# KiCad board !HDMI2USB.kicad_pcb (continued)
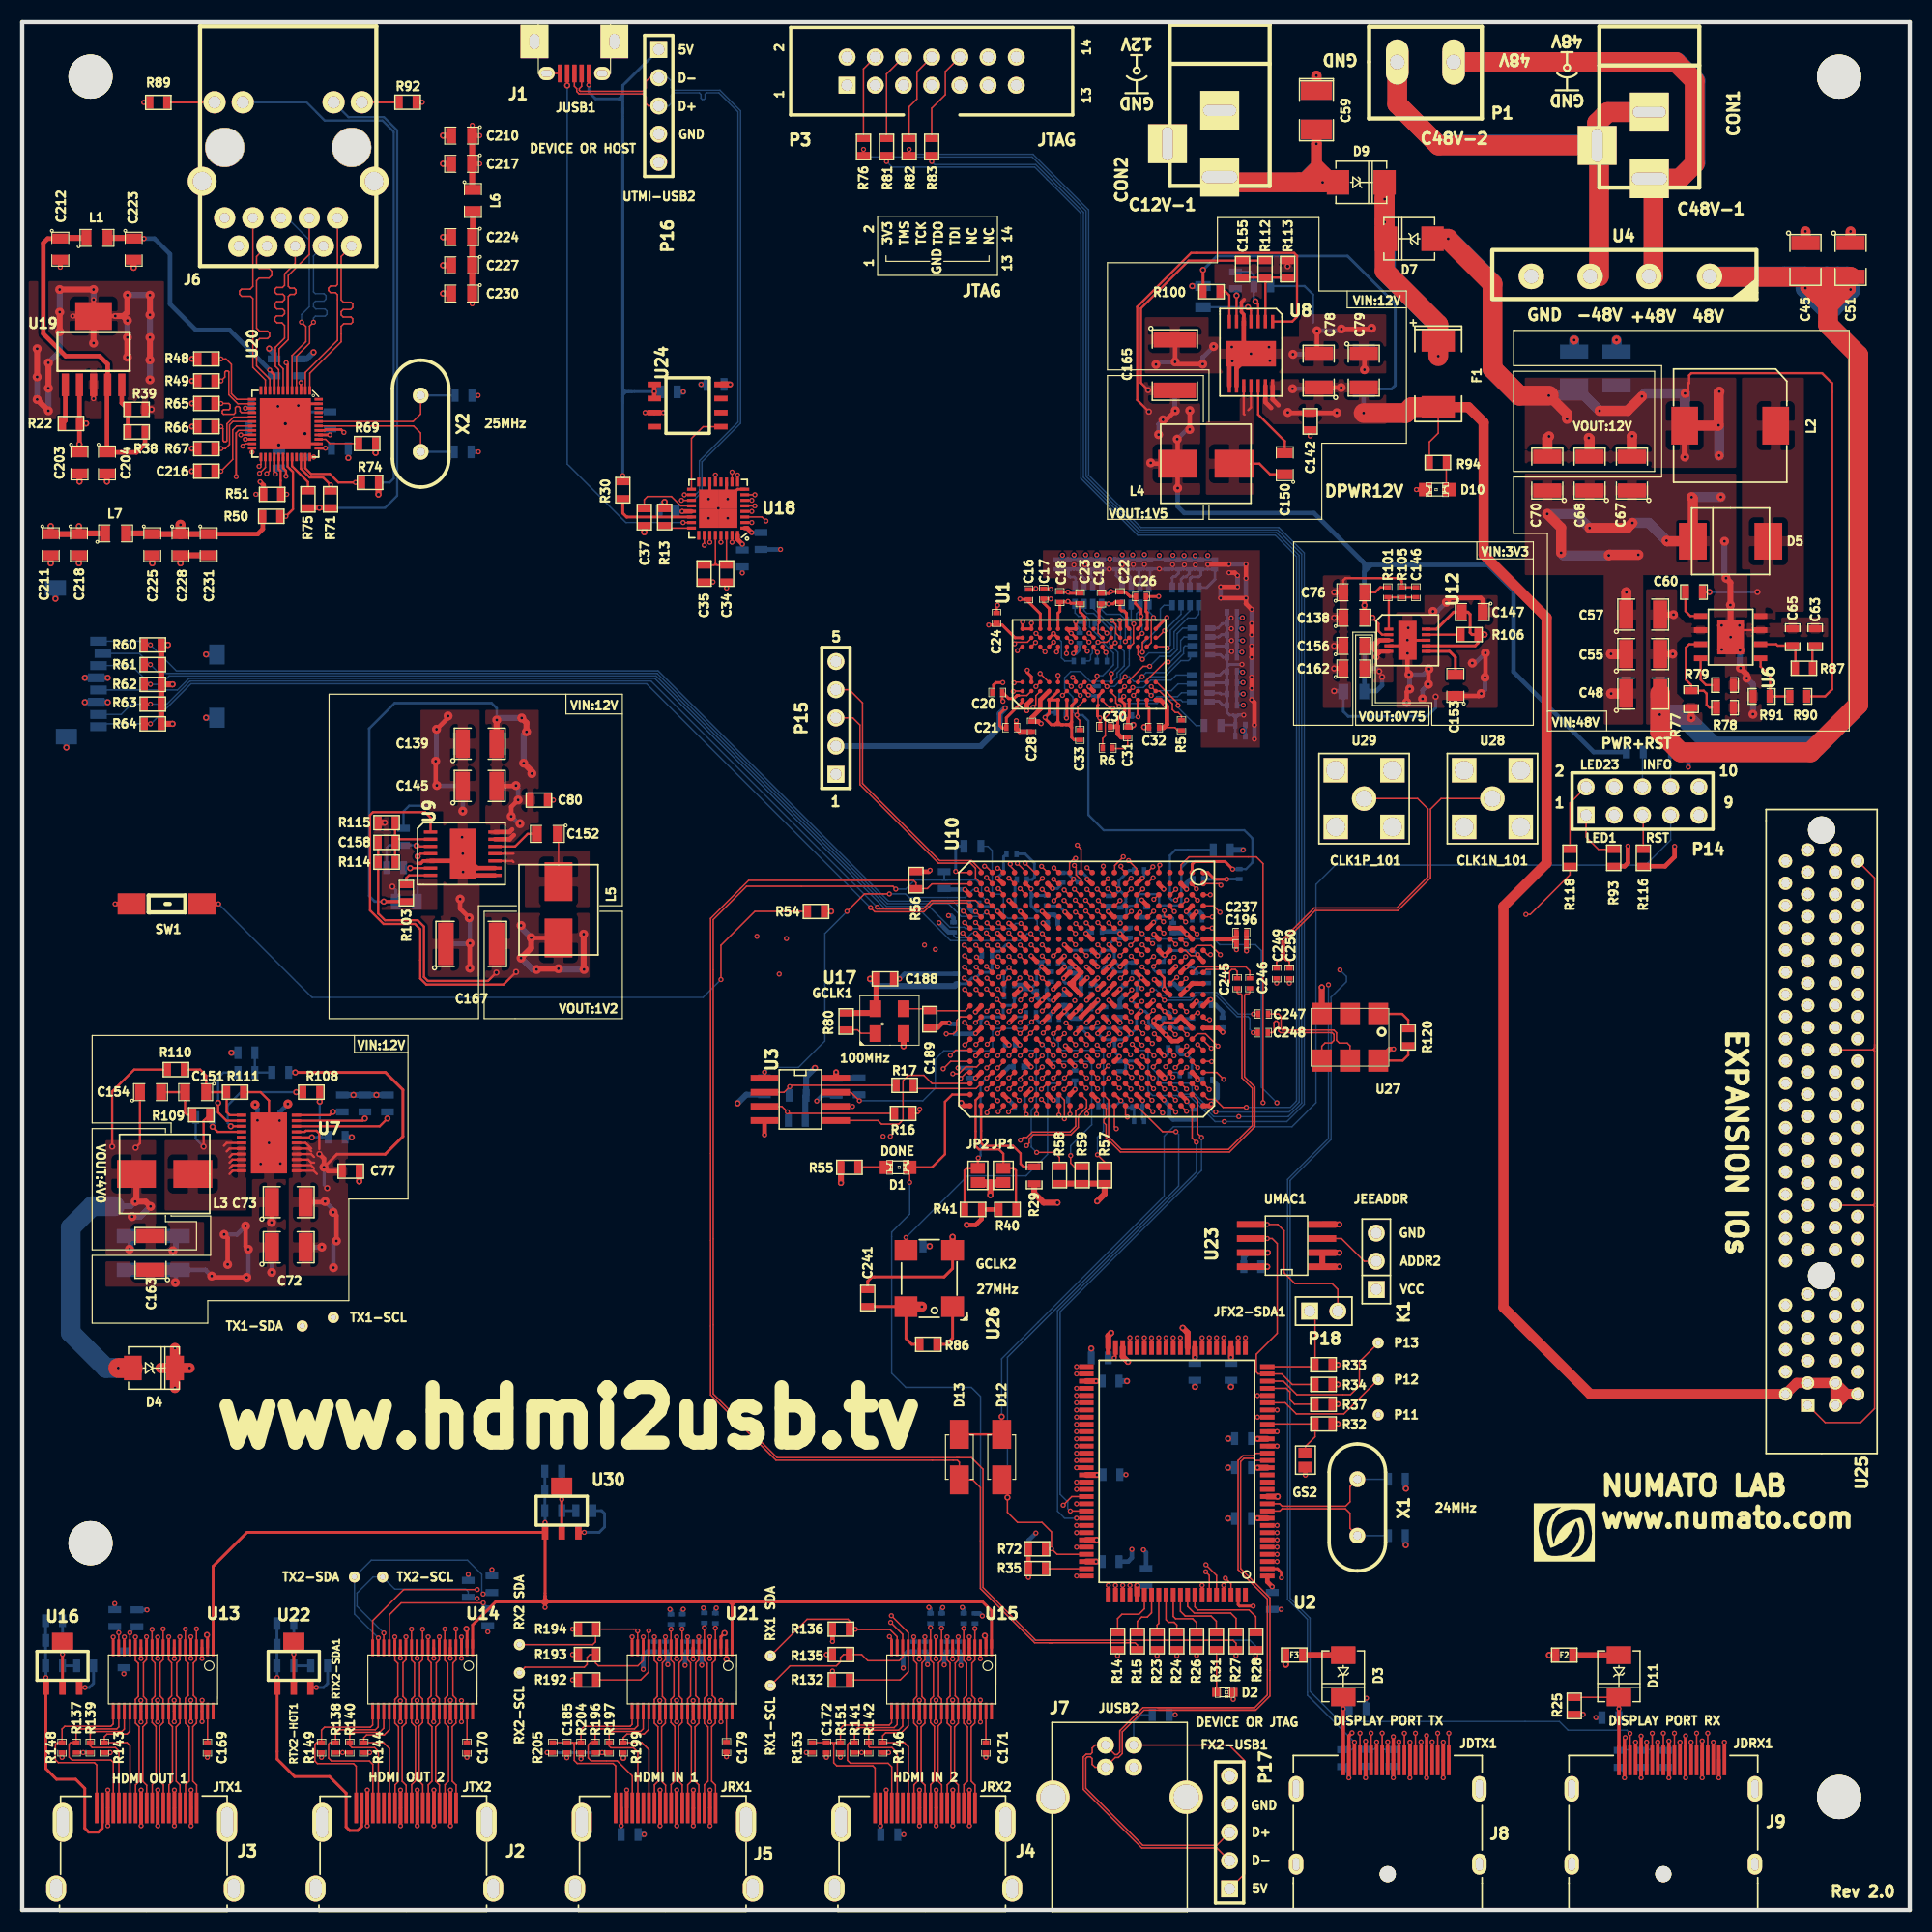
[diagram p0: board, top side]
## Nets (continued)
VCC12V0: C38.1 C72.2 C73.2 C74.2 C75.2 C77.2 C78.1 C79.2 C80.1 C133.2 C134.2 C135.1 C139.2 C140.2 C142.1 C145.2 C173.1 C177.1 C183.1 F1.2 R94.1 R95.1 R100.1 R103.1 U7.12 U7.13 U7.14 U7.15 U7.16 U7.17 U7.19 U8.13 U8.14 U9.13 U9.14 U16.3 U22.3 U24.8 U25.A2 U25.A3 U25.B1 U25.B2 U25.B3 U30.3
/DDR3/DDR0_A0: R8.8 U1.N3 U10.K2
/DDR3/DDR0_A1: R9.2 U1.P7 U10.K1
/DDR3/DDR0_A2: R8.4 U1.P3 U10.K5
/DDR3/DDR0_A3: R3.8 U1.N2 U10.M6
/DDR3/DDR0_A4: R2.4 U1.P8 U10.H3
/DDR3/DDR0_A5: R3.4 U1.P2 U10.M3
/DDR3/DDR0_A6: R9.8 U1.R8 U10.L4
/DDR3/DDR0_A7: R3.6 U1.R2 U10.K6
/DDR3/DDR0_A8: R9.6 U1.T8 U10.G3
/DDR3/DDR0_A9: R8.6 U1.R3 U10.G1
/DDR3/DDR0_A10: R10.4 U1.L7 U10.J4
/DDR3/DDR0_A11: R2.2 U1.R7 U10.E1
/DDR3/DDR0_A12: R2.6 U1.N7 U10.F1
/DDR3/DDR0_A13: R1.2 U1.T3 U10.J6
/DDR3/DDR0_A14: R9.4 U1.T7 U10.H5
/DDR3/DDR0_BA0: R3.2 U1.M2 U10.J3
/DDR3/DDR0_BA1: R10.2 U1.N8 U10.J1
/DDR3/DDR0_BA2: R8.2 U1.M3 U10.H1
/DDR3/DDR0_CAS_N: R2.8 U1.K3 U10.M4
/DDR3/DDR0_CK_N: R4.1 U1.K7 U10.K3
/DDR3/DDR0_CK_P: R4.2 U1.J7 U10.K4
/DDR3/DDR0_CKE: R7.2 U1.K9 U10.F2
/DDR3/DDR0_DQ0: U1.E3 U10.R3
/DDR3/DDR0_DQ1: U1.F7 U10.R1
/DDR3/DDR0_DQ2: U1.F2 U10.P2
/DDR3/DDR0_DQ3: U1.F8 U10.P1
/DDR3/DDR0_DQ4: U1.H3 U10.L3
/DDR3/DDR0_DQ5: U1.H8 U10.L1
/DDR3/DDR0_DQ6: U1.G2 U10.M2
/DDR3/DDR0_DQ7: U1.H7 U10.M1
/DDR3/DDR0_DQ8: U1.D7 U10.T2
/DDR3/DDR0_DQ9: U1.C3 U10.T1
/DDR3/DDR0_DQ10: U1.C8 U10.U3
/DDR3/DDR0_DQ11: U1.C2 U10.U1
/DDR3/DDR0_DQ12: U1.A7 U10.W3
/DDR3/DDR0_DQ13: U1.A2 U10.W1
/DDR3/DDR0_DQ14: U1.B8 U10.Y2
/DDR3/DDR0_DQ15: U1.A3 U10.Y1
/DDR3/DDR0_LDM: U1.E7 U10.N4
/DDR3/DDR0_LDQS_N: U1.G3 U10.N1
/DDR3/DDR0_LDQS_P: U1.F3 U10.N3
/DDR3/DDR0_ODT: R6.2 U1.K1 U10.L6
/DDR3/DDR0_RAS_N: R10.8 U1.J3 U10.M5
/DDR3/DDR0_RESET_N: R5.2 U1.T2 U10.E3
/DDR3/DDR0_UDM: U1.D3 U10.P3
/DDR3/DDR0_UDQS_N: U1.B7 U10.V1
/DDR3/DDR0_UDQS_P: U1.C7 U10.V2
/DDR3/DDR0_WE_N: R10.6 U1.L3 U10.H2
/DisplayPort/DPRX_LANEN0: J9.3 U10.C7
/DisplayPort/DPRX_LANEN1: J9.6 U10.C9
/DisplayPort/DPRX_LANEN2: J9.9 U10.C13
/DisplayPort/DPRX_LANEN3: J9.12 U10.C15
/DisplayPort/DPRX_LANEP0: J9.1 U10.D7
/DisplayPort/DPRX_LANEP1: J9.4 U10.D9
/DisplayPort/DPRX_LANEP2: J9.7 U10.D13
/DisplayPort/DPRX_LANEP3: J9.10 U10.D15
/DisplayPort/DPRXAUXCH_N: J9.17 U10.T11 U10.U10
/DisplayPort/DPRXAUXCH_P: J9.15 U10.R11 U10.T10
/DisplayPort/DPRXCONFIG1: J9.13 R45.1 U10.AA8
/DisplayPort/DPRXCONFIG2: J9.14 R46.1 U10.AB8
/DisplayPort/DPTX_LANEN0: J8.3 U10.A6
/DisplayPort/DPTX_LANEN1: J8.6 U10.A8
/DisplayPort/DPTX_LANEN2: J8.9 U10.A14
/DisplayPort/DPTX_LANEN3: J8.12 U10.A16
/DisplayPort/DPTX_LANEP0: J8.1 U10.B6
/DisplayPort/DPTX_LANEP1: J8.4 U10.B8
/DisplayPort/DPTX_LANEP2: J8.7 U10.B14
/DisplayPort/DPTX_LANEP3: J8.10 U10.B16
/DisplayPort/DPTXAUXCH_N: J8.17 U10.U15 U10.V15
/DisplayPort/DPTXAUXCH_P: J8.15 U10.T15 U10.U16
/DisplayPort/DPTXCONFIG1: J8.13 R42.1 U10.V20
/DisplayPort/DPTXCONFIG2: J8.14 R43.1 U10.AB19
/Ethernet/ETH_INT_B: U10.V9 U20.20
/Ethernet/ETH_MDC: U10.V7 U20.30
/Ethernet/ETH_MDIO: R50.2 U10.T8 U20.31
/Ethernet/ETH_RESET_B: C222.1 R51.1 U10.U8 U20.29
/Ethernet/ETH_RXCLK: C216.2 U10.AA12 U20.19
/Ethernet/ETH_RXCTL: R48.2 U10.U9 U20.13
/Ethernet/ETH_RXD0: R49.2 U10.R9 U20.14
/Ethernet/ETH_RXD1: R65.2 U10.R8 U20.16
/Ethernet/ETH_RXD2: R66.2 U10.W6 U20.17
/Ethernet/ETH_RXD3: R67.2 U10.Y6 U20.18
/Ethernet/ETH_TXCLK: U10.AB12 U20.22
/Ethernet/ETH_TXCTL: U10.W8 U20.27
/Ethernet/ETH_TXD0: U10.W9 U20.23
/Ethernet/ETH_TXD1: U10.Y8 U20.24
/Ethernet/ETH_TXD2: U10.AA6 U20.25
/Ethernet/ETH_TXD3: U10.AB6 U20.26
/Ethernet/ETH_VCC1V0: C223.1 C226.1 C229.1 C232.1 C233.1 C234.1 L1.2 U20.3 U20.9 U20.28 U20.36 U20.40
/Ethernet/ETH_VCC3V3: C214.1 C219.1 C220.1 C225.1 C228.1 C231.1 L7.2 R49.1 R50.1 R65.1 R66.1 R67.1 U20.15 U20.21 U20.37
/Ethernet/LED0: J6.12 R70.2
/Ethernet/LED1: J6.13 R73.2
/Ethernet/MAC_SCL: R34.1 U2.29 U10.G6 U23.6
/Ethernet/MAC_SDA: P18.2 U10.C1 U23.5
/Ethernet/XTAL1_50MHZ: C238.1 U20.42 X2.2
/Ethernet/XTAL2_50MHZ: C235.1 U20.43 X2.1
/FPGA_Bank_0_3/DEBUG_IO0: P15.3 U10.AA2
/FPGA_Bank_0_3/DEBUG_IO1: P15.4 U10.AA1
/FPGA_Bank_0_3/DIFFCLK_A0N: U10.F15 U25.A30
/FPGA_Bank_0_3/DIFFCLK_A0P: U10.F14 U25.A29
/FPGA_Bank_0_3/DIFFCLK_A1N: U10.G9 U25.A48
/FPGA_Bank_0_3/DIFFCLK_A1P: U10.F10 U25.A47
/FPGA_Bank_0_3/DIFFCLK_B0N: U10.E16 U25.B28
/FPGA_Bank_0_3/DIFFCLK_B0P: U10.F16 U25.B27
/FPGA_Bank_0_3/DIFFCLK_B1N: U10.G11 U25.B46
/FPGA_Bank_0_3/DIFFCLK_B1P: U10.H12 U25.B45
/FPGA_Bank_0_3/DIFFCLK_XN: U10.D19 U25.A14
/FPGA_Bank_0_3/DIFFCLK_XP: U10.D18 U25.A13
/FPGA_Bank_0_3/DIFFIO_A0N: U10.C18 U25.A6
/FPGA_Bank_0_3/DIFFIO_A0P: U10.D17 U25.A5
/FPGA_Bank_0_3/DIFFIO_A1N: U10.A18 U25.A17
/FPGA_Bank_0_3/DIFFIO_A1P: U10.B18 U25.A16
/FPGA_Bank_0_3/DIFFIO_A2N: U10.G15 U25.A22
/FPGA_Bank_0_3/DIFFIO_A2P: U10.H14 U25.A21
/FPGA_Bank_0_3/DIFFIO_A3N: U10.G13 U25.A26
/FPGA_Bank_0_3/DIFFIO_A3P: U10.H13 U25.A25
/FPGA_Bank_0_3/DIFFIO_A4N: U10.E6 U25.A36
/FPGA_Bank_0_3/DIFFIO_A4P: U10.E5 U25.A35
/FPGA_Bank_0_3/DIFFIO_A5N: U10.A4 U25.A40
/FPGA_Bank_0_3/DIFFIO_A5P: U10.C4 U25.A39
/FPGA_Bank_0_3/DIFFIO_A6N: U10.A2 U25.A44
/FPGA_Bank_0_3/DIFFIO_A6P: U10.B2 U25.A43
/FPGA_Bank_0_3/DIFFIO_B0N: U10.A20 U25.A8
/FPGA_Bank_0_3/DIFFIO_B0P: U10.B20 U25.A7
/FPGA_Bank_0_3/DIFFIO_B1N: U10.F17 U25.B15
/FPGA_Bank_0_3/DIFFIO_B1P: U10.G16 U25.B14
/FPGA_Bank_0_3/DIFFIO_B2N: U10.A17 U25.B20
/FPGA_Bank_0_3/DIFFIO_B2P: U10.C17 U25.B19
/FPGA_Bank_0_3/DIFFIO_B3N: U10.H11 U25.B24
/FPGA_Bank_0_3/DIFFIO_B3P: U10.H10 U25.B23
/FPGA_Bank_0_3/DIFFIO_B4N: U10.D5 U25.B34
/FPGA_Bank_0_3/DIFFIO_B4P: U10.D4 U25.B33
/FPGA_Bank_0_3/DIFFIO_B5N: U10.A5 U25.B38
/FPGA_Bank_0_3/DIFFIO_B5P: U10.C5 U25.B37
/FPGA_Bank_0_3/DIFFIO_B6N: U10.A3 U25.B42
/FPGA_Bank_0_3/DIFFIO_B6P: U10.B3 U25.B41
/FPGA_Bank_0_3/DIFFIO_XN: U10.A19 U25.B11
/FPGA_Bank_0_3/DIFFIO_XP: U10.C19 U25.B9
/FPGA_Bank_0_3/DIFFIO_YN: U10.F8 U25.B12
/FPGA_Bank_0_3/DIFFIO_YP: U10.F7 U25.A19
/FPGA_Bank_0_3/DIFFIO_ZN: U10.F9 U25.B30
/FPGA_Bank_0_3/DIFFIO_ZP: U10.G8 U25.A32
/FPGA_Bank_0_3/HSWAP: R53.1 U10.C3
/FPGA_Bank_0_3/MGT135MHz_N: C247.1 U10.F12
/FPGA_Bank_0_3/MGT135MHz_P: C248.1 U10.E12
/FPGA_Bank_0_3/MGTREFCLK0_101_N: C246.1 U10.K22
/FPGA_Bank_0_3/MGTREFCLK0_101_P: C245.1 U10.K21
/FPGA_Bank_0_3/MGTSMACLK_N: C250.1 U10.D11
/FPGA_Bank_0_3/MGTSMACLK_P: C249.1 U10.C11
/FPGA_Bank_0_3/PCIE_RESET: U10.D3 U25.A11
/FPGA_Bank_0_3/PCIO0: R118.2 U10.G7
/FPGA_Bank_0_3/PCIO1: P14.3 U10.J7
/FPGA_Bank_0_3/PCIO2: P14.4 U10.H8
/FPGA_Bank_0_3/PCIO3: P14.6 R117.1 U10.F5
/FPGA_Bank_0_3/SMCLK: U10.N6 U25.B5
/FPGA_Bank_0_3/SMDATA: U10.N7 U25.B6
/FPGA_Bank_0_3/SWITCH: R54.1 U10.Y3
/FPGA_Bank_1_2/CY-IFCLK: U2.26 U10.P20
/FPGA_Bank_1_2/CY_CTL0: U2.54 U10.N16
/FPGA_Bank_1_2/CY_CTL1: U2.55 U10.P16
/FPGA_Bank_1_2/CY_CTL2: U2.56 U10.R15
/FPGA_Bank_1_2/CY_CTL3: U2.51 U10.M18
/FPGA_Bank_1_2/CY_CTL4: U2.52 U10.M17
/FPGA_Bank_1_2/CY_CTL5: U2.76 U10.R16
/FPGA_Bank_1_2/CY_FD0: U2.34 U10.C20
/FPGA_Bank_1_2/CY_FD1: U2.35 U10.C22
/FPGA_Bank_1_2/CY_FD2: U2.36 U10.L15
/FPGA_Bank_1_2/CY_FD3: U2.37 U10.K16
/FPGA_Bank_1_2/CY_FD4: U2.44 U10.D21
/FPGA_Bank_1_2/CY_FD5: U2.45 U10.D22
/FPGA_Bank_1_2/CY_FD6: U2.46 U10.G19
/FPGA_Bank_1_2/CY_FD7: U2.47 U10.F20
/FPGA_Bank_1_2/CY_FD8: U2.80 U10.H18
/FPGA_Bank_1_2/CY_FD9: U2.81 U10.H19
/FPGA_Bank_1_2/CY_FD10: U2.82 U10.F21
/FPGA_Bank_1_2/CY_FD11: U2.83 U10.F22
/FPGA_Bank_1_2/CY_FD12: U2.95 U10.E20
/FPGA_Bank_1_2/CY_FD13: U2.96 U10.E22
/FPGA_Bank_1_2/CY_FD14: U2.97 U10.J19
/FPGA_Bank_1_2/CY_FD15: U2.98 U10.H20
/FPGA_Bank_1_2/CY_INT5: U2.84 U10.T19
/FPGA_Bank_1_2/CY_PA0: U2.67 U10.F18
/FPGA_Bank_1_2/CY_PA1: U2.68 U10.F19
/FPGA_Bank_1_2/CY_PA2: U2.69 U10.H16
/FPGA_Bank_1_2/CY_PA3: U2.70 U10.H17
/FPGA_Bank_1_2/CY_PA4: U2.71 U10.B21
/FPGA_Bank_1_2/CY_PA5: U2.72 U10.B22
/FPGA_Bank_1_2/CY_PA6: U2.73 U10.J16
/FPGA_Bank_1_2/CY_PA7: U2.74 U10.J17
/FPGA_Bank_1_2/CY_PC0: U2.57 U10.U20
/FPGA_Bank_1_2/CY_PC1: U2.58 U10.U22
/FPGA_Bank_1_2/CY_PC2: U2.59 U10.V21
/FPGA_Bank_1_2/CY_PC3: U2.60 U10.V22
/FPGA_Bank_1_2/CY_PC4: U2.61 U10.W20
/FPGA_Bank_1_2/CY_PC5: U2.62 U10.W22
/FPGA_Bank_1_2/CY_PC6: U2.63 U10.Y21
/FPGA_Bank_1_2/CY_PC7: U2.64 U10.Y22
/FPGA_Bank_1_2/CY_RD: U2.31 U10.K19
/FPGA_Bank_1_2/CY_RD0: U2.3 U10.P19
/FPGA_Bank_1_2/CY_RD1: U2.4 U10.R19
/FPGA_Bank_1_2/CY_RD2: U2.5 U10.M16
/FPGA_Bank_1_2/CY_RD3: U2.6 U10.N15
/FPGA_Bank_1_2/CY_RD4: U2.7 U10.U19
/FPGA_Bank_1_2/CY_RD5: U2.8 U10.T20
/FPGA_Bank_1_2/CY_RXD0: U2.43 U10.P17
/FPGA_Bank_1_2/CY_RXD1: U2.41 U10.P18
/FPGA_Bank_1_2/CY_T0: U2.23 U10.G20
/FPGA_Bank_1_2/CY_TXD0: U2.42 U10.R17
/FPGA_Bank_1_2/CY_TXD1: U2.40 U10.T17
/FPGA_Bank_1_2/CY_WR: U2.32 U10.K18
/FPGA_Bank_1_2/CYPRESS-RESET: C46.1 D12.1 R72.1 U2.77 U10.G22
/FPGA_Bank_1_2/DPRXHPD: J9.18 R47.1 U10.W11
/FPGA_Bank_1_2/DPTXHPD: J8.18 R44.1 U10.V11
/FPGA_Bank_1_2/FPGA_M0_CMP_MISO: JP1.1 R40.2 U10.AA21
/FPGA_Bank_1_2/FPGA_M1: JP2.1 R41.1 U10.Y19
/FPGA_Bank_1_2/INIT_B: R27.2 R52.2 U10.Y4
/FPGA_Bank_1_2/SD_CLK: U10.T7 U11.5
/FPGA_Bank_1_2/SD_CMD: R62.1 U10.U6 U11.3
/FPGA_Bank_1_2/SD_DAT0: R63.1 U10.AA4 U11.7
/FPGA_Bank_1_2/SD_DAT1: R64.1 U10.AB4 U11.8
/FPGA_Bank_1_2/SD_DAT2: R60.1 U10.AB5 U11.1
/FPGA_Bank_1_2/SD_DAT3: R61.1 U10.Y5 U11.2
/FPGA_Bank_1_2/SPI_CLK: U3.6 U10.Y20
/FPGA_Bank_1_2/SPI_CS_N: R18.2 U3.1 U10.AA3
/FPGA_Bank_1_2/SPI_D1_MISO2: R17.2 U10.R13
/FPGA_Bank_1_2/SPI_D2_MISO3: R21.1 U3.7 U10.T14
/FPGA_Bank_1_2/SPI_DO_DIN_MISO1: R16.2 U10.AA20
/FPGA_Bank_1_2/SPI_MOSI_CSI_N_MISO0: U3.5 U10.AB20
/FPGA_Bank_1_2/USB_D0: U10.Y14 U18.3
/FPGA_Bank_1_2/USB_D1: U10.W14 U18.4
/FPGA_Bank_1_2/USB_D2: U10.Y18 U18.5
/FPGA_Bank_1_2/USB_D3: U10.W17 U18.6
/FPGA_Bank_1_2/USB_D4: U10.AA14 U18.7
/FPGA_Bank_1_2/USB_D5: U10.AB14 U18.9
/FPGA_Bank_1_2/USB_D6: U10.Y16 U18.10
/FPGA_Bank_1_2/USB_D7: U10.W15 U18.13
/FPGA_Bank_1_2/USB_DIR: U10.W13 U18.31
/FPGA_Bank_1_2/USB_NXT: U10.V13 U18.2
/FPGA_Bank_1_2/USB_REFCLK: U10.Y13 U18.26
/FPGA_Bank_1_2/USB_RESETB: U10.V17 U18.27
/FPGA_Bank_1_2/USB_STP: U10.W18 U18.29
/FPGA_Bank_1_2/USRCLK: C189.2 U10.AB13 U17.3
/FPGA_Power/DONE: D1.2 R28.2 U10.AB21
/FPGA_Power/PROG_B: D13.1 R15.2 R56.1 U10.AB2
/FPGA_Power/RFS: R57.1 U10.P15
/FPGA_Power/SUSPEND: R29.2 U10.AA22
/FPGA_Power/TCK: R26.2 R81.2 U10.A21
/FPGA_Power/TMS: R24.2 R76.2 U10.D20
/FPGA_Power/VFS: R58.1 U10.U17
/GPIOs/PRSNT: U25.A1 U25.B17 U25.B31 U25.B48
/HDMI/HDMI-TX1-VCC5V0: C175.1 C205.1 J3.18 R195.1 U16.1
/HDMI/HDMI-TX2-VCC5V0: C181.1 C252.1 J2.18 R202.1 U22.1
/HDMI/HDMI_VCC5V0: C206.1 C208.1 R121.1 R137.1 R138.1 R139.1 R140.1 R141.1 R142.1 R153.1 R196.1 R197.1 R205.1 U13.1 U14.1 U15.1 U21.1 U30.1
/HDMI/P1-CEC: J4.13 R146.2 U15.23
/HDMI/P1-HOT: C172.2 J4.19 R151.2 R153.2 U15.20
/HDMI/P1-SCL: J4.15 R142.2 U15.22
/HDMI/P1-SDA: J4.16 R141.2 U15.21
/HDMI/P2-CEC: J3.13 R143.2 U13.23
/HDMI/P2-HOT: J3.19 R148.2 U13.20
/HDMI/P2-SCL: J3.15 R139.2 U13.22
/HDMI/P2-SDA: J3.16 R137.2 U13.21
/HDMI/P3-CEC: J5.13 R199.2 U21.23
/HDMI/P3-HOT: C185.2 J5.19 R204.2 R205.2 U21.20
/HDMI/P3-SCL: J5.15 R197.2 U21.22
/HDMI/P3-SDA: J5.16 R196.2 U21.21
/HDMI/P4-CEC: J2.13 R144.2 U14.23
/HDMI/P4-HOT: J2.19 R149.2 U14.20
/HDMI/P4-SCL: J2.15 R140.2 U14.22
/HDMI/P4-SDA: J2.16 R138.2 U14.21
/HDMI/TMDS-RX1-0_N: J4.9 R147.1 U10.J22 U15.12 U15.27
/HDMI/TMDS-RX1-0_P: J4.7 R125.1 U10.J20 U15.10 U15.29
/HDMI/TMDS-RX1-1_N: J4.6 R150.1 U10.H22 U15.9 U15.30
/HDMI/TMDS-RX1-1_P: J4.4 R128.1 U10.H21 U15.7 U15.32
/HDMI/TMDS-RX1-2_N: J4.3 R152.1 U10.L19 U15.6 U15.33
/HDMI/TMDS-RX1-2_P: J4.1 R131.1 U10.K20 U15.4 U15.35
/HDMI/TMDS-RX1-CEC: R132.2 U10.K17 U15.16
/HDMI/TMDS-RX1-CLK_N: J4.12 R145.1 U10.M19 U15.15 U15.24
/HDMI/TMDS-RX1-CLK_P: J4.10 R124.1 U10.M20 U15.13 U15.26
/HDMI/TMDS-RX1-HOT: U10.V19 U15.19
/HDMI/TMDS-RX1-SCL: P8.1 R135.2 U10.L17 U15.17
/HDMI/TMDS-RX1-SDA: P7.1 R136.2 U10.T18 U15.18
/HDMI/TMDS-RX2-0_N: J5.9 R201.2 U10.M22 U21.12 U21.27
/HDMI/TMDS-RX2-0_P: J5.7 R190.1 U10.M21 U21.10 U21.29
/HDMI/TMDS-RX2-1_N: J5.6 R200.2 U10.N22 U21.9 U21.30
/HDMI/TMDS-RX2-1_P: J5.4 R189.1 U10.N20 U21.7 U21.32
/HDMI/TMDS-RX2-2_N: J5.3 R198.2 U10.P22 U21.6 U21.33
/HDMI/TMDS-RX2-2_P: J5.1 R188.1 U10.P21 U21.4 U21.35
/HDMI/TMDS-RX2-CEC: R192.2 U10.T22 U21.16
/HDMI/TMDS-RX2-CLK_N: J5.12 R203.2 U10.L22 U21.15 U21.24
/HDMI/TMDS-RX2-CLK_P: J5.10 R191.1 U10.L20 U21.13 U21.26
/HDMI/TMDS-RX2-HOT: U10.R20 U21.19
/HDMI/TMDS-RX2-SCL: P10.1 R193.2 U10.T21 U21.17
/HDMI/TMDS-RX2-SDA: P9.1 R194.2 U10.R22 U21.18
/HDMI/TMDS-TX1-0_N: J3.9 U10.Y12 U13.12 U13.27
/HDMI/TMDS-TX1-0_P: J3.7 U10.W12 U13.10 U13.29
/HDMI/TMDS-TX1-1_N: J3.6 U10.AB10 U13.9 U13.30
/HDMI/TMDS-TX1-1_P: J3.4 U10.AA10 U13.7 U13.32
/HDMI/TMDS-TX1-2_N: J3.3 U10.AB9 U13.6 U13.33
/HDMI/TMDS-TX1-2_P: J3.1 U10.Y9 U13.4 U13.35
/HDMI/TMDS-TX1-CEC: R127.2 U10.W10 U13.16
/HDMI/TMDS-TX1-CLK_N: J3.12 U10.AB11 U13.15 U13.24
/HDMI/TMDS-TX1-CLK_P: J3.10 U10.Y11 U13.13 U13.26
/HDMI/TMDS-TX1-HOT: U10.AB7 U13.19
/HDMI/TMDS-TX1-SCL: P6.1 R134.2 U10.Y7 U13.17
/HDMI/TMDS-TX1-SDA: P5.1 R130.2 U10.Y10 U13.18
/HDMI/TMDS-TX2-0_N: J2.9 U10.AB15 U14.12 U14.27
/HDMI/TMDS-TX2-0_P: J2.7 U10.Y15 U14.10 U14.29
/HDMI/TMDS-TX2-1_N: J2.6 U10.AB16 U14.9 U14.30
/HDMI/TMDS-TX2-1_P: J2.4 U10.AA16 U14.7 U14.32
/HDMI/TMDS-TX2-2_N: J2.3 U10.U13 U14.6 U14.33
/HDMI/TMDS-TX2-2_P: J2.1 U10.U14 U14.4 U14.35
/HDMI/TMDS-TX2-CEC: R126.2 U10.AA18 U14.16
/HDMI/TMDS-TX2-CLK_N: J2.12 U10.U12 U14.15 U14.24
/HDMI/TMDS-TX2-CLK_P: J2.10 U10.T12 U14.13 U14.26
/HDMI/TMDS-TX2-HOT: U10.AB18 U14.19
/HDMI/TMDS-TX2-SCL: P4.1 R129.2 U10.Y17 U14.17
/HDMI/TMDS-TX2-SDA: P2.1 R133.2 U10.AB17 U14.18
/Power/Conference 12V: C67.2 C68.2 C69.2 C70.2 C71.2 D6.1 D7.1 L2.2 R90.2
/Power/Consumer 12V: C59.2 C61.2 CON2.1 D8.1 D9.1
/SPI_Flash/27MHz: C244.2 U10.N19 U26.3
/SPI_Flash/RST: D12.2 D13.2 P14.7
/SPI_Flash/TDO-FPGA/TDO-JTAG: R14.2 R82.2 U10.G17
/SPI_Flash/TDO-USB/TDI-FPGA: R23.2 R83.2 U10.E18
/USB/CPEN: U18.17 U24.5
/USB/CYDN: J7.2 P17.2 U2.18
/USB/CYDP: J7.3 P17.3 U2.17
/USB/ID: J1.4 U18.23
/USB/U1-SDA: P18.1 R33.1 U2.30
/USB/USB_5V: C240.1 J1.1 P16.1 R30.2 U24.1 U24.2
/USB/USB_DM: J1.2 P16.2 U18.19
/USB/USB_DP: J1.3 P16.3 U18.18
/USB/XTALIN: C62.2 U2.11 X1.2
/USB/XTALIOUT: C64.1 U2.10 X1.1
N-00000177: R12.1 U1.L8
N-00000178: R11.2 U1.L2
N-00000189: D1.1 R55.1
N-00000192: R80.2 U17.1
N-00000193: R17.1 R20.2 U3.3
N-00000194: P3.10 R83.1
N-00000195: P3.8 R82.1
N-00000196: P3.6 R81.1
N-00000197: P3.4 R76.1
N-00000198: R16.1 R19.2 U3.2
N-00000199: P14.1 R93.2
N-00000200: P14.5 R116.2
N-00000201: P14.2 R118.1
N-00000204: P14.8 R119.1
N-00000205: R86.2 U26.1
N-00000209: R120.1 U27.1
N-00000212: R68.2 U10.E9
N-00000213: C245.2 U10.A10
N-00000214: C246.2 U10.B10
N-00000219: C247.2 U27.5
N-00000220: C250.2 U28.2
N-00000221: C249.2 U29.2
N-00000223: C248.2 U27.4
N-00000231: R54.2 SW1.1
N-00000232: R85.2 U10.R7
N-00000252: J6.7 U20.10
N-00000253: J6.6 U20.5
N-00000254: J6.4 U20.7
N-00000255: J6.5 U20.8
N-00000256: J6.8 U20.11
N-00000257: R69.1 U20.39
N-00000258: K1.2 U23.3
N-00000259: J6.1 U20.1
N-00000260: J6.2 U20.2
N-00000261: J6.3 U20.4
N-00000262: R75.1 U20.32
N-00000264: R70.1 R71.1 U20.34
N-00000265: R73.1 R74.1 U20.35
N-00000267: R22.1 U19.1
N-00000270: R38.1 R39.2 U19.5
N-00000276: J6.11 R92.1
N-00000277: J6.14 R89.1
N-00000283: R13.2 U18.24
N-00000288: C37.2 U18.20
N-00000289: R30.1 U18.22
N-00000292: C34.1 C35.1 U18.28 U18.30
N-00000296: R23.1 U2.88
N-00000297: R26.1 U2.90
N-00000298: R31.1 U2.91
N-00000299: R27.1 U2.92
N-00000300: R28.1 U2.93
N-00000301: R14.1 U2.86
N-00000302: R15.1 U2.87
N-00000303: R24.1 U2.89
N-00000306: R37.1 U2.27
N-00000310: GS2.1 R32.1 U2.22
N-00000311: D2.1 R31.2
N-00000312: P11.1 U2.24
N-00000313: P12.1 U2.25
N-00000319: R35.1 U2.79
N-00000322: P13.1 U2.28
N-00000324: J7.1 P17.1 R36.2
N-00000325: C65.2 R87.2 U6.6
N-00000326: C63.1 R87.1
N-00000328: C158.2 R114.2 R115.1 U9.2
N-00000329: C60.1 U6.1
N-00000330: R79.1 U6.4
N-00000331: R77.1 R78.1 U6.3
N-00000332: R100.2 U8.7
N-00000333: C152.1 L5.1 U9.10 U9.11
N-00000334: C152.2 U9.12
N-00000335: C150.2 U8.12
N-00000336: C150.1 L4.1 U8.10 U8.11
N-00000337: R102.2 U8.6
N-00000338: C143.2 U8.4
N-00000340: R108.2 U7.3
N-00000341: C148.2 R108.1 U7.18
N-00000342: R99.1 U7.22
N-00000343: R107.2 U7.20
N-00000344: C137.2 R102.1 U8.3
N-00000345: C141.2 R104.1 U9.3
N-00000346: R103.2 U9.7
N-00000347: R104.2 U9.6
N-00000348: C144.2 U9.4
N-00000349: C149.1 U7.4
N-00000350: R97.1 U7.2
N-00000351: R98.1 U7.21
N-00000352: C146.1 R101.2 R105.1 U12.1
N-00000353: C151.2 C154.2 R109.1
N-00000355: C155.1 R112.2 R113.1 U8.2
N-00000356: R106.1 U12.9
N-00000357: D10.1 R94.2
N-00000358: D6.2 D7.2 D8.2 D9.2 F1.1
N-00000361: R90.1 R91.2 U6.5
N-00000362: C60.2 D5.2 L2.1 U6.8
N-00000365: C151.1 R110.1 R111.2 U7.1
N-00000366: C149.2 L3.1 R109.2 U7.6 U7.7 U7.8 U7.9 U7.10 U7.11
N-00000367: R95.2 R96.1 R97.2
N-00000377: C171.1 U15.37
N-00000378: J4.18 R84.2
N-00000381: C170.1 U14.37
N-00000384: C179.1 U21.37
N-00000387: C169.1 U13.37
N-00000401: J5.18 R88.2
N-00000403: C177.2 C181.2 C252.2 R202.2 U22.2
N-00000405: C173.2 C175.2 C205.2 R195.2 U16.2
N-00000407: C183.2 C206.2 C208.2 R121.2 U30.2
N-00000409: D3.1 F3.2
N-00000410: D11.1 F2.2
N-00000411: C47.1 D3.2 J8.20
N-00000412: C49.1 D11.2 J9.20 R25.1
VTTDDR0: C1.1 C2.1 C3.1 C4.1 C5.1 C6.1 C7.1 C8.1 C9.1 C10.1 C11.1 C12.1 C13.1 C14.1 C15.1 C156.2 C159.2 C162.2 C166.2 C168.2 C174.1 C176.1 C178.1 C180.1 C182.1 C184.1 C186.1 C187.1 C207.1 C209.1 R1.1 R2.1 R2.3 R2.5 R2.7 R3.1 R3.3 R3.5 R3.7 R8.1 R8.3 R8.5 R8.7 R9.1 R9.3 R9.5 R9.7 R10.1 R10.3 R10.5 R10.7 U12.3 U12.5
VTTREF: C153.2 U12.6
VTTREF0: C33.1 C113.1 C192.1 U1.H1 U1.M8 U10.B1 U10.K8 U10.M8 U10.P8

Pads without a net: J2 14; J3 14; J4 14; J5 14; J6 9; P3 12 14; P14 9 10; P16 5; P17 5; U1 J1 J9 L1 L9 M7; U2 13 14 15 100; U7 5; U10 A12 B12 D1 D2 E4 F3 G4 H4 H6 K7 M7 P4 P5 P6 P7 R4 T3 T4 T5 T6 U4 V3 V5 V18 W4; U13 38; U14 38; U15 38; U18 12 15 16 25; U20 12 33 44 45 46 48; U21 38; U24 4 6 7; U25 A33; U27 2

## Via types
v1: diameter 0.457, hole 0.254, TOP to BOTTOM, 1083 vias
v2: diameter 0.808, hole 0.254, TOP to BOTTOM, 176 vias
v3: diameter 0.559, hole 0.305, TOP to BOTTOM, 135 vias

## Routing (per net, layer and track width the routed paths; a pad name or vN(x,y) marks a point on that pad's centre or on a via; arc(x,y) is an arc through that point)
/Ethernet/AVDD3V3: length 40.8
  TOP w0.229: v1(23.77,139.33) 23.9,139.2 U20.6 ; v1(28.97,133.06) 28.72,133.31 27.33,133.31 27.25,133.24 U20.41
  TOP w0.406: v1(40.53,144.64) C230.1
  TOP w0.533: C230.1 C227.1 C224.1 40.59,150.71 L6.2
  PWR w0.914: 29.74,139.33 36.9,139.33 40.53,142.96 v1(40.53,144.64) ; 29.74,139.33 28.97,138.57 ; 29.74,139.33 28.16,139.33 ; 28.97,138.52 28.16,139.33 ; 28.16,139.33 v1(23.77,139.33) ; v1(28.97,133.06) 28.97,138.33
/Ethernet/VCC1V0: length 32
  TOP w0.406: R38.2 11.06,132.03 10.29,131.26 C204.1 7.63,137.27 U19.4 7.7,139.2 6.96,139.93 3.91,139.93 1.9,141.94 1.9,150.11 2.3,150.51 C212.1
  TOP w0.533: C212.1 3.5,150.58 L1.1
/FPGA_Power/VBATT: length 17.2
  TOP w0.127: v1(94.42,67.92) 94.42,67.24 94.74,66.93 R59.1
  TOP w0.203: U10.T16 v1(91.86,77.92)
  BOTTOM w0.127: v1(94.42,67.92) 94.42,68.81 96.32,70.71 96.32,76.13 96.04,76.41 92.54,76.41 92.33,76.62 92.33,77.45 v1(91.86,77.92)
/Power/VIN 48: length 182.8
  TOP w0.533: v2(148.72,116.65) 148.72,116.65 C57.2 ; C48.2 147.51,107.67 ; R77.2 150.31,107.36 ; C55.2 v2(148.65,113.09)
  TOP w0.914: C45.2 v2(160.6,146.05) 162.64,144.02 ; 162.81,144.06 v2(164.67,145.93) C51.2
  TOP w1.778: 162.64,147.07 C51.2 164.54,147.07 ; 162.64,147.07 C45.2 ; 162.64,147.07 162.64,145.16 ; 162.64,145.16 162.51,145.16 162.18,145.49 ; 162.64,145.16 162.64,144.68 ; 162.64,144.68 162.64,142.75 165.37,140.02 165.37,108.55 161.06,104.24 149.36,104.24 147.51,106.09 C48.2 ; 162.64,144.68 163.91,145.96 163.91,146.01 ; C45.2 151.86,147.07 ; C45.2 162.64,145.04
  BOTTOM w0.127: C45.2 v2(160.6,146.05)
  BOTTOM w1.778: 164.67,146.81 164.41,147.07 ; 164.67,146.81 164.37,147.11 163.52,147.11 ; 164.67,146.81 v2(164.67,145.93) 163.65,144.91 ; 158.7,147.11 160.56,147.11 C45.2 v2(160.6,146.05) 162.64,144.02 ; 158.7,147.11 162.51,147.11 ; 158.7,147.11 151.82,147.11 ; 162.64,144.02 162.64,142.75 165.3,140.08 165.3,108.46 161.62,104.78 152.29,104.78 149.43,107.64 v2(147.48,107.64) 149.36,107.64 ; 162.64,144.02 162.76,144.02 163.02,144.27 ; 163.02,144.27 163.65,144.91 ; 163.02,144.27 162.51,144.78 162.51,147.11 ; 162.51,147.11 163.52,147.11 ; 163.52,147.11 163.65,146.98 163.65,144.91
  vias: v2(150.32,107.35)
/Power/VIN +48V: length 87
  TOP w1.778: P1.2 148.93,166.41 150.62,164.72 150.62,157.25 149.27,155.91 CON1.1 146.92,155.53 146.92,147.11
  BOTTOM w1.778: 146.92,147.11 146.92,155.53 CON1.1 149.25,155.91 150.7,157.36 150.7,164.72 149.05,166.37 ; P1.2 149.01,166.41
/Power/VIN -48V: length 84.8
  TOP w1.778: P1.1 123.84,162.63 127.56,158.91 CON1.3 ; CON1.3 142.02,158.73 142.02,147.11 ; CON1.3 141.84,160.95 142.8,161.91 CON1.2
  BOTTOM w1.778: P1.1 123.84,162.63 127.46,159.01 141.74,159.01 142.02,158.73 142.02,147.11 ; 141.84,158.79 141.84,160.95 142.8,161.91 CON1.2
GND: length 943
  TOP w0.127: v1(98.75,91.91) 98.36,92.29 U10.J2 ; v1(95.79,89.95) 96.32,89.42 U10.L5 ; v1(102.93,108.51) 102.48,108.96 U1.T1 ; 90.38,108.47 90.88,108.96 U1.B1 90.87,108.96 ; v1(100.49,107.45) 100.49,107.45 100.49,107.45 ; v1(92.12,107.39) 92.49,107.75 U1.D1 ; v1(96.09,110.17) 96.49,109.77 U1.J2 ; 94.89,115.99 v1(94.87,116) ; 92.9,114.95 v1(92.87,114.94) ; v1(99.21,109.28) 99.23,109.3 U1.M1 98.89,108.89 ; C32.1 102.44,106.48 103.81,106.48 104.07,106.23 R5.1 ; R6.1 98.17,104.58 99.22,104.58 99.55,104.92 C31.1 ; 95.34,105.3 C33.2 ; 79.53,78.86 U17.2 ; 97.9,84.95 v1(97.89,84.94) ; v1(101.95,83.78) 102,83.78 101.97,83.81 ; 86.33,85.42 v1(85.95,85.8) ; 89.32,84.41 v1(88.87,84.86) ; 86.35,89.42 v1(85.87,89.9) ; v1(105.87,86.03) 105.77,85.93 105.26,85.93 104.77,86.42 U10.C8 ; v1(84.07,93.52) 84.17,93.42 U10.AB1 ; 105.36,89.47 U10.B5 ; J1.5 J1.0 ; v1(102.99,78.8) 102.97,78.8 ; U10.V14 89.36,80.39 ; 94.82,73.87 v1(94.82,73.88) ; C189.1 81.26,79.45 ; 93.25,114.56 U1.E8 ; 93.36,82.4 U10.P12 ; U10.E2 102.36,92.36 ; U10.K10 97.37,84.42 ; U1.D8 92.51,114.56 ; 100.37,89.45 U10.G5 ; 95.4,84.41 U10.M10 95.4,84.41
  TOP w0.203: 103.94,80.04 103.81,79.91 102.86,79.91 U10.E15 ; v3(23.11,131.92) 23.7,132.51 v3(23.7,133.84) 24.57,133.84 v3(25.46,132.95) ; v2(22.22,69.07) 22.22,72.88 21.46,73.64 R111.1 ; v2(153.86,114.62) 154.5,115.25 U6.7 ; C146.2 R105.2 124.25,119.67 124,119.93 119.17,119.93 118.98,119.74 C76.1 ; R113.2 v3(113.97,148.02)
  TOP w0.254: 90.39,92.42 v1(90.86,91.95) ; 93.72,106.73 93.54,106.73 93.28,106.99 93.28,107.04 ; 93.72,106.73 94,106.73 ; 93.72,106.73 92.98,106.73 ; 99.06,107.66 98.67,107.27 98.67,106.58 ; v1(88.31,110.53) 87.7,110.53 87.48,110.31 87.48,109.75 C20.1 ; v1(90.52,111.64) 90.52,111.58 90.52,111.43 90.89,111.06 U1.B3 ; U1.D1 92.55,109 93.28,109.73 U1.E2 ; U1.D1 92.51,108.95 92.52,108.96 U1.E1 93.28,107.04 ; U1.D1 92.49,107.74 92.12,107.37 v1(92.12,107.39) 92.12,107.28 92.68,106.73 92.98,106.73 ; 93.25,114.56 v1(92.87,114.94) ; 92.51,114.56 92.9,114.95 ; 94.45,114.99 94.88,114.56 U1.G8 ; 94.45,114.99 v1(94.47,114.97) ; 94.45,114.99 94.41,114.99 94.07,115.33 U1.F9 94.14,115.35 94.15,115.36 U1.G9 94.89,115.99 ; v1(96.09,114.97) 96.1,114.97 96.49,114.58 U1.J8 ; v1(98.85,116.13) 98.89,116.09 U1.M9 ; v1(103.08,116.38) 102.09,115.38 U1.T9 ; v1(90.89,115.87) 90.89,115.87 U1.B9 90.14,115.36 90.12,115.33 U1.A9 90.09,115.97 v1(90.1,115.98) ; v1(91.28,119.01) 91.19,118.92 C16.1 ; v1(92.65,118.94) 92.61,118.98 C17.1 ; v1(94.18,118.68) 94.18,118.68 94.16,118.68 ; v1(87.84,117.49) 87.75,117.4 C24.1 ; 99.18,107.79 99.06,107.66 ; 99.06,107.66 99.04,107.65 ; 99.06,107.66 99.3,107.9 99.3,108.62 99.27,108.62 98.96,108.92 U1.M1 98.92,108.96 99.22,109.27 99.18,109.27 99.18,109.26 99.23,109.3 ; 100.49,107.45 100.52,107.45 100.49,107.49 U1.P1 ; 99.18,109.25 v1(99.21,109.28) ; v1(108.48,92.81) 107.39,92.81 106.78,93.42 U10.A1 ; 94.16,118.68 94.16,118.69 94.29,118.56 C23.1 ; 94.16,118.68 C18.1 ; C33.2 94.74,105.36 94.51,105.59 94.51,106.46 ; 94.51,106.46 94.25,106.73 94,106.73 ; 94.51,106.46 94.51,106.95 ; 94.51,106.95 94.29,106.73 94,106.73 ; 94.51,106.95 94.51,108.45 94.88,108.82 U1.G1 ; 93.28,107.04 93.28,107.03 92.98,106.73 ; 58.93,23.61 58.93,22.62 ; 61.93,17.91 61.93,18.85 ; 60.43,17.91 60.43,18.83 ; 58.93,17.91 58.93,18.85 ; 57.43,17.91 57.43,18.84 ; 34.06,17.91 34.06,18.81 ; 35.56,17.91 35.56,18.84 ; 37.06,17.91 37.06,18.85 ; 38.56,17.91 38.56,18.86 ; 34.06,23.61 34.06,22.67 ; 35.56,23.61 35.56,22.67 ; 37.06,23.61 37.06,22.66 ; 38.56,23.61 38.56,22.66 ; 15.19,23.61 15.2,22.65 ; 13.69,23.61 13.69,22.63 ; 12.19,23.61 12.2,22.65 ; 10.69,23.61 10.7,22.64 ; 15.19,17.91 15.19,18.86 ; 13.69,17.91 13.69,18.85 ; 12.19,17.91 12.19,18.86 ; 10.69,17.91 10.69,18.85 ; 60.43,22.58 v1(60.43,22.58) ; v1(110.86,27.35) 109.63,27.35 109.51,27.47 U2.99 ; v1(113.4,29.91) 113.4,30.37 113.06,30.72 U2.2 ; v1(61.82,127.05) 61.93,127.17 U18.14 ; v3(63.26,24.92) 62.93,24.59 U21.3 ; 61.93,22.62 U21.5 61.93,24.58 ; 85.3,16.91 U15.34 85.3,18.88 ; U21.25 57.43,16.92 ; C241.1 76.15,56.62 76.53,57 83.03,57 83.79,57.76 U26.2 ; U13.25 10.7,16.92 ; U21.11 58.93,24.57 ; U14.34 38.56,16.93 ; U12.4 124.26,113.84 U12.11 U12.8 ; U14.31 v1(37.06,16.93) ; U21.14 57.43,22.59 ; 85.3,22.61 U15.5 85.3,24.58 ; 82.3,22.61 U15.11 82.3,24.58 ; U13.28 v1(12.2,16.93) ; 39.56,16.94 U14.36 39.56,18.84 ; 16.19,16.95 U13.36 16.19,18.85 ; U13.5 15.19,24.58 ; U21.34 61.93,16.93 ; U1.P9 100.49,115.41 100.77,115.69 v1(100.77,116.51) 100.77,117.13 100.26,117.64 100.26,118.4 C26.1 99.77,118.28 99.59,118.45 99.58,118.45 99.36,118.67 C22.1 98.74,118.69 98.7,118.72 v1(98.05,118.72) 97.87,118.54 C19.1 ; 86.3,18.88 U15.36 86.3,16.91 ; 98.41,73.42 v1(98.95,72.88) ; 82.3,16.94 U15.28 82.3,18.87 ; 94.68,92.74 U10.N2 ; U20.38 25.5,132.04 v3(23.7,133.84) 25.5,135.64 U20.47 ; 83.8,18.88 U15.31 83.8,16.91 ; U2.94 v1(106.26,29.23) ; 80.8,18.86 U15.25 80.8,16.91 ; 39.56,24.56 U14.3 39.56,22.66 ; U13.11 12.19,24.55 ; U21.31 60.43,16.94 ; 62.93,18.86 U21.36 62.93,16.93 ; U14.25 34.06,16.93 ; U13.3 16.19,22.63 ; U18.8 64.43,127.94 v1(63.54,127.05) 63.43,127.17 U18.11 ; U13.31 13.7,16.94 ; U15.14 80.8,22.57 ; U21.28 58.93,16.95 ; U14.28 35.56,16.95 ; U15.8 83.8,22.58 ; U13.34 15.19,16.94 ; U15.3 86.3,22.61 ; v1(85.87,76.91) 85.87,76.92 v1(85.87,76.91)